# Altium PCB PCB1.PcbDoc (part 1 of 2) (continued)
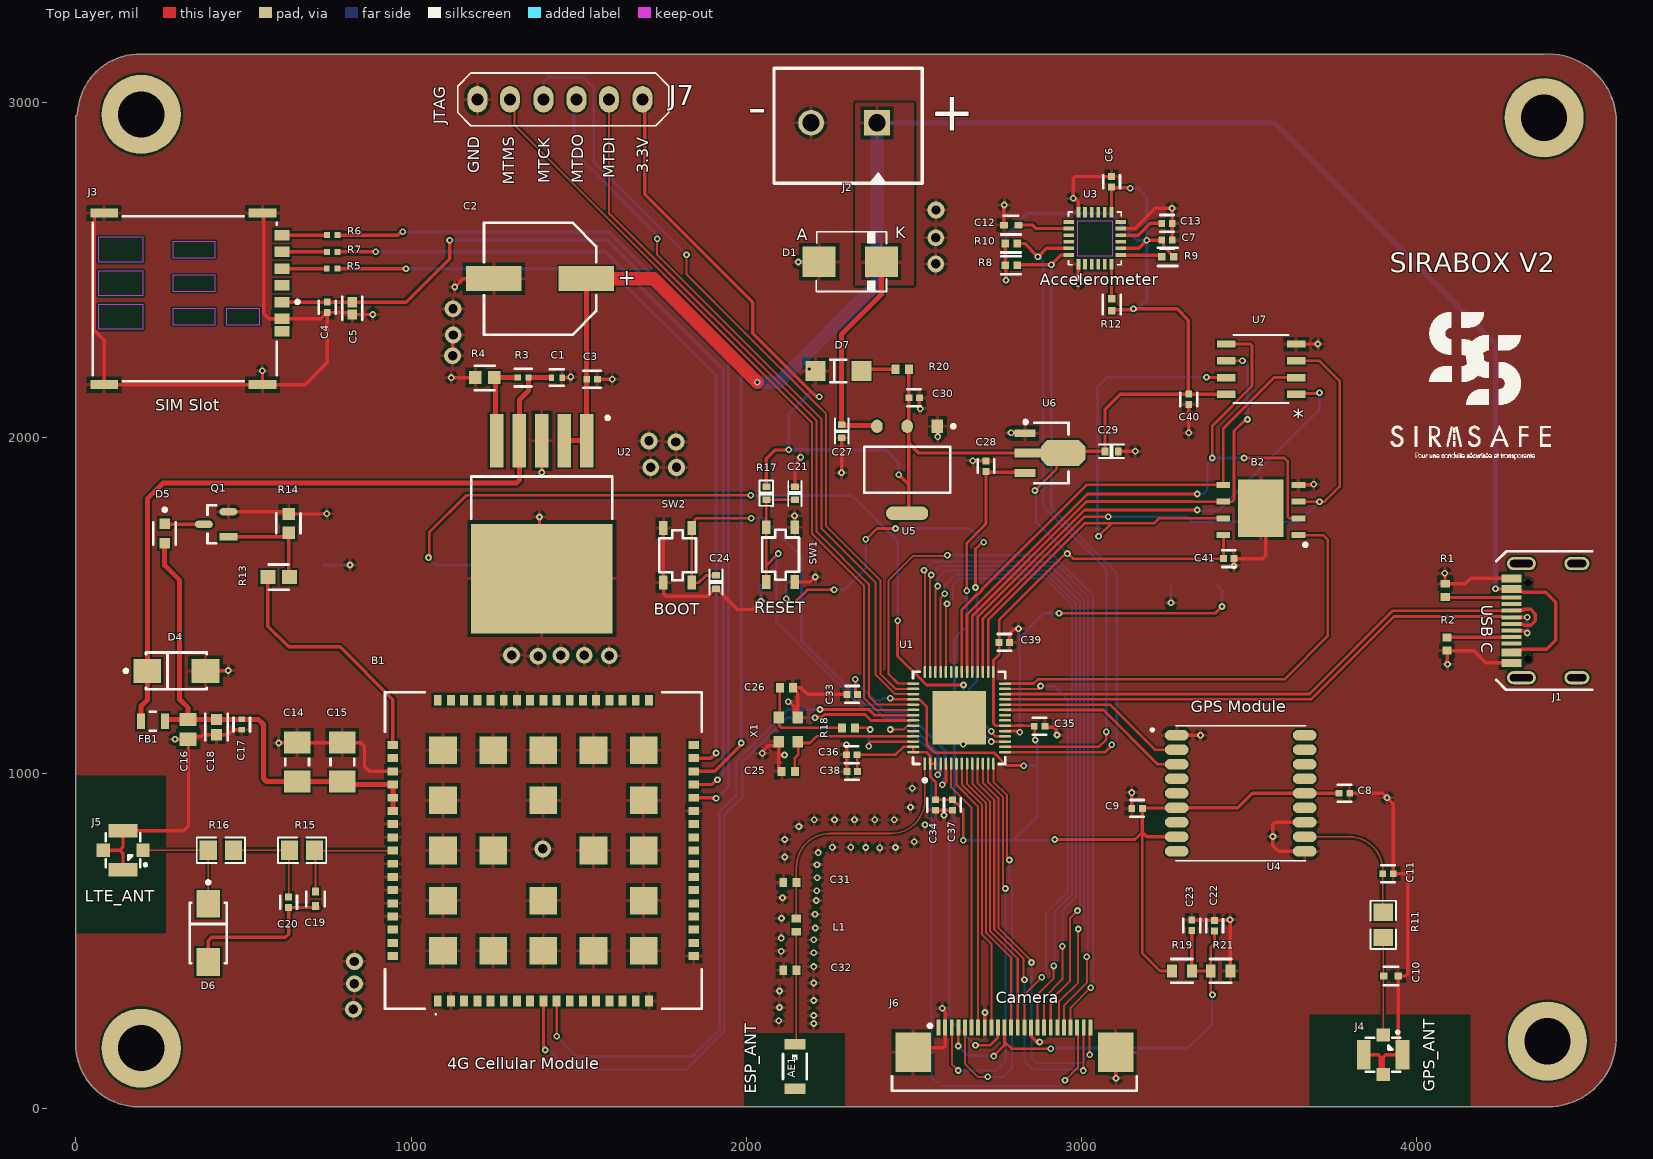
[diagram p0: Top Layer view]
## Components (designator, comment, footprint, x,y, rotation, side; value= is the part's Value field where it differs from the comment)
AE1 "74889302450" 74889302450 2145,125 r270 top
B1 "A7670C-LNSC" A7670CLNSC 1394.61,769.21 r90 top
B2 "W25Q128FVPIP" SON127P600X500X80-9N-D 3535,1785 r180 top
C1 "GRM155R71C104KA88D" FP-GRM15-MFG 1435,2180 r180 top value=0.10μF
C2 "865060653010" WCAP-ASLL_D8H10.5 1385,2475 r0 top
C3 "C0402C105K8PACTU" FP-C0402C105K8PACTU-MFG 1540,2175 r0 top
C4 "C0402C104K4RACTU" FP-C0402-BB-MFG 750,2390 r270 top value="0.10 μF"
C5 "04025A330JAT2A" FP-0402-L_1_0_1-W_0_5_0_1-IPC_A 825,2386.67 r270 top
C6 "C0402C104K4RACTU" FP-C0402-BB-MFG 3090,2764.25 r90 top value="0.10 μF"
C7 "C0402C104K4RACTU" FP-C0402-BB-MFG 3255,2590 r0 top value="0.10 μF"
C8 "C0402C104K4RACTU" FP-C0402-BB-MFG 3784.25,940 r0 top value="0.10 μF"
C9 "C0402C104K4RACTU" FP-C0402-BB-MFG 3165.75,895 r180 top value="0.10 μF"
C10 "04025C222KAT2A" FP-0402-L_1_0_1-W_0_5_0_1-MFG 3923.35,395 r0 top
C11 "C0402C104K4RACTU" FP-C0402-BB-MFG 3914.25,700 r0 top value="0.10 μF"
C12 "04025C222KAT2A" FP-0402-L_1_0_1-W_0_5_0_1-MFG 2790,2635 r180 top
C13 "C0402C104K4RACTU" FP-C0402-BB-MFG 3255,2640 r0 top value="0.10 μF"
C14 "GRM31CR60J107ME39L" CAPC3216X190X55ML30T25 660,1033.07 r270 top
C15 "GRM31CR60J107ME39L" CAPC3216X190X55ML30T25 795,1033.07 r270 top
C16 "GRM21BR71H105KA12L" CAPC2013X135X45LL10T25 335,1130.47 r90 top
C17 "GRM155R71C104KA88D" FP-GRM15-MFG 495,1145 r90 top value=0.10μF
C18 "CC0603JRNPO9BN330" FP-CC0603-0_9-IPC_C 420,1137.28 r270 top
C19 "04025C222KAT2A" FP-0402-L_1_0_1-W_0_5_0_1-MFG 715,625 r270 top
C20 "C0402C104K4RACTU" FP-C0402-BB-MFG 635,615 r270 top value="0.10 μF"
C21 "1uF" "CAP 0402_1005" 2145,1835 r270 top value=100nF
C22 "C0402C104K4RACTU" FP-C0402-BB-MFG 3397,545 r90 top value="0.10 μF"
C23 "C0402C104K4RACTU" FP-C0402-BB-MFG 3329,546 r90 top value="0.10 μF"
C24 "1uF" "CAP 0402_1005" 1910,1570 r90 top value=100nF
C25 "10p" CAP_0402 2125.31,1005 r0 top
C26 "10p" CAP_0402 2120,1255 r180 top
C27 "1uF" "CAP 0402_1005" 2285,2020 r90 top value=100nF
C28 "C0402C104K4RACTU" FP-C0402-BB-MFG 2715,1915.75 r90 top value="0.10 μF"
C29 "1uF" "CAP 0402_1005" 3090,1960 r180 top value=100nF
C30 "C0402C104K4RACTU" FP-C0402-BB-MFG 2500.75,2120 r0 top value="0.10 μF"
C31 "3p3" CAP_0402 2130,674 r0 top
C32 "3p3" CAP_0402 2130,412 r0 top
C33 "C0402C104K4RACTU" FP-C0402-BB-MFG 2315.75,1235 r180 top value="0.10 μF"
C34 "C0402C104K4RACTU" FP-C0402-BB-MFG 2565,905 r270 top value="0.10 μF"
C35 "C0402C104K4RACTU" FP-C0402-BB-MFG 2875,1140 r0 top value="0.10 μF"
C36 "C0402C104K4RACTU" FP-C0402-BB-MFG 2314.25,1055 r180 top value="0.10 μF"
C37 "C0402C104K4RACTU" FP-C0402-BB-MFG 2615,905 r270 top value="0.10 μF"
C38 "C0402C104K4RACTU" FP-C0402-BB-MFG 2315.75,1005 r180 top value="0.10 μF"
C39 "C0402C104K4RACTU" FP-C0402-BB-MFG 2770,1390 r0 top value="0.10 μF"
C40 "C0402C104K4RACTU" FP-C0402-BB-MFG 3320,2115 r270 top value="0.10 μF"
C41 "C0402C104K4RACTU" FP-C0402-BB-MFG 3439.25,1640 r0 top value="0.10 μF"
D1 "SMBJ15CA-13-F" DIO_SMB_DO-214AA 2310,2525 r0 top
D2 "SML-LXT0805IW-TR" FP-SML-LXT0805IW-TR-MFG 2080,1560 r0 bottom
D3 "HSMG-C150" FP-HSMG-C150-MFG 3335.9,1559 r0 bottom
D4 "SMAJ6.0A" FP-SMAJ-MFG 300,1305 r0 top
D5 "LTST-C190GKT" FP-LTST-C190GKT-MFG 265,1715 r270 top
D6 "SMAJ6.0A" FP-SMAJ-MFG 395,523.39 r270 top
D7 "HSMG-C150" FP-HSMG-C150-MFG 2275,2200 r0 top
FB1 "BLM21PG300SN1D" FP-BLM21-0_2-t0_85-e0_5-d-MFG 230,1155 r0 top
J1 "TYPE-C-31-M-12" TYPE-C-31-M-12 4395,1455 r90 top
J2 "TERMINAL BLOCK 2 PIN" CON2_P196_1729128_TH_ST 2390,2940 r180 top
J3 "SIM8066-6-1-14-01-A" FP-SIM8066-6-1-14-01-A-MFG 325,2415 r270 top
J4 "UFL" "MOLEX SD-734120110" 3900,160 r180 top
J5 "UFL" "MOLEX SD-734120110" 140.94,770 r90 top
J6 "68712414522" 68712414522 2800,140 r0 top
J7 "Bergstrip 2.54mm" CON6_100_59D78_TH_ST 1690.28,3010 r180 top
L1 "2n2" IND_0402 2149,546.68 r90 top
LS1 "PKLCS1212E2000-R1" FP-PKLCS1212E2000-R1-MFG 959.53,1620 r180 bottom
MH1 "Mounting Hole" MOUNTING 4380,2955 r180 bottom
MH2 "Mounting Hole" MOUNTING 4390,200 r180 bottom
MH3 "Mounting Hole" MOUNTING 195,2965 r180 bottom
MH4 "Mounting Hole" MOUNTING 195,180 r180 bottom
Q1 "BC846B,215" FP-SOT23-IPC_B 418.56,1742.4 r180 top
R1 "5k1" RES_0402 4085,1545.32 r270 top
R2 "5k1" RES_0402 4090,1385 r90 top
R3 "CRCW0402100KFKED" FP-CRCW0402-e3-IPC_C 1334.17,2180 r0 top
R4 "CRCW060347K0FKEA" FP-CRCW0603-e3-IPC_B 1220,2180 r0 top
R5 "CRCW040222R0FKED" RESC1005X40X25LL05T05 764.25,2505 r0 top
R6 "CRCW040222R0FKED" RESC1005X40X25LL05T05 765,2605 r0 top
R7 "CRCW040222R0FKED" RESC1005X40X25LL05T05 765,2555 r0 top
R8 "CRCW04024K70FKED" FP-CRCW0402-e3-IPC_B 2790,2515 r180 top
R9 "CRCW04024K70FKED" FP-CRCW0402-e3-IPC_B 3257.2,2540 r180 top
R10 "CRCW04024K70FKED" FP-CRCW0402-e3-IPC_B 2790,2580 r180 top
R11 "0R" RES_0805 3900,547.6 r270 top
R12 "CRCW04024K70FKED" FP-CRCW0402-e3-IPC_B 3090,2397.8 r90 top
R13 "CRCW06034K70FKEA" FP-CRCW0603-e3-IPC_A 605,1585 r0 top
R14 "CRCW060347K0FKEA" FP-CRCW0603-e3-IPC_B 635,1745 r270 top
R15 "0R" RES_0805 675,770 r0 top
R16 "0R" RES_0805 432.6,770 r0 top
R17 "10K" "RES 0402_1005" 2060,1834.68 r90 top value=1K
R18 "22R" RES_0402 2305,1135 r180 top
R19 "CRCW06031K00FKEA" FP-CRCW0603-e3-MFG 3299.53,410 r180 top
R20 "22R" RES_0402 2465.32,2205 r180 top
R21 "CRCW06035K60FKEA" FP-CRCW0603-e3-MFG 3415,410 r180 top
SW1 "SKRPANE010" SKRPANE010 2102.32,1651.69 r270 top
SW2 "SKRPANE010" SKRPANE010 1795,1650 r90 top
U1 "ESP32-S3R8" FP-ESP32-S3R8-IPC_A 2635,1165 r90 top
U2 "MIC29302WU-TR" FP-C04-012-MFG 1390,1695 r180 top
U3 "MPU-6050" QFN50P400X400X95-24N 3040,2595 r90 top
U4 "L70REL-M37" XCVR_L70REL-M37 3475,940 r0 top
U5 "AMS1117-3.3" FP-AMS1117-IPC_C 2480,1905 r270 top
U6 "MCP1700T-3302E/MB" SOT-89-MB3_M 2910,1955 r0 top
U7 "ESP-PSRAM64H" SOP8-150MIL_ADA 3535.75,2205 r180 top
X1 "40MHz" XTAL_2520 2125,1130 r270 top

## Footprints (in the part's own frame and the unit in brackets; to place one, negate y for a bottom-side part, rotate by r counter-clockwise, add the part's x,y. Pads: shape width x height; smd on the part's side, far side on the other; paste and mask are expansions set on the pad)
68712414522 [mm] "ZIF Connectors, Horizontal, Bottom Contact, pitch 0.5mm, 24p"
  rect 0.3x1.2 smd: 1(-5.75,2.56) 2(-5.25,2.56) 3(-4.75,2.56) 4(-4.25,2.56) 5(-3.75,2.56) 6(-3.25,2.56) 7(-2.75,2.56) 8(-2.25,2.56) 9(-1.75,2.56) 10(-1.25,2.56) 11(-0.75,2.56) 12(-0.25,2.56) 13(0.25,2.56) 14(0.75,2.56) 15(1.25,2.56) 16(1.75,2.56) 17(2.25,2.56) 18(2.75,2.56) 19(3.25,2.56) 20(3.75,2.56) 21(4.25,2.56) 22(4.75,2.56) 23(5.25,2.56) 24(5.75,2.56)
  rect 2.7x3 smd: M1(-7.68,0.7) M2(7.68,0.7)
  silkscreen extent -9.27,-2.22 9.28,2.82, body extent -9.2,-2.15 9.2,2.95, height 2.1
74889302450 [mm] "SMT-Multilayer Chip Antenna, body 3.2x1.6mm"
  rect 0.8x1.6 smd: 1(-1.7,0) 2(1.7,0)
  silkscreen extent -0.95,-0.9 0.95,0.9, body extent -1.6,-0.8 1.6,0.8, height 1.2
A7670CLNSC [mm]
  rect 0.8x0.6 smd: 1(-11.4,8) 2(-11.4,7) 3(-11.4,6) 4(-11.4,5) 5(-11.4,4) 6(-11.4,3) 7(-11.4,2) 8(-11.4,1) 9(-11.4,0) 10(-11.4,-1) 11(-11.4,-2) 12(-11.4,-3) 13(-11.4,-4) 14(-11.4,-5) 15(-11.4,-6) 16(-11.4,-7) 17(-11.4,-8) 35(11.4,-8) 36(11.4,-7) 37(11.4,-6) 38(11.4,-5) 39(11.4,-4) 40(11.4,-3) 41(11.4,-2) 42(11.4,-1) 43(11.4,0) 44(11.4,1) 45(11.4,2) 46(11.4,3) 47(11.4,4) 48(11.4,5) 49(11.4,6) 50(11.4,7) 51(11.4,8)
  rect 0.6x0.8 smd: 18(-8,-11.4) 19(-7,-11.4) 20(-6,-11.4) 21(-5,-11.4) 22(-4,-11.4) 23(-3,-11.4) 24(-2,-11.4) 25(-1,-11.4) 26(0,-11.4) 27(1,-11.4) 28(2,-11.4) 29(3,-11.4) 30(4,-11.4) 31(5,-11.4) 32(6,-11.4) 33(7,-11.4) 34(8,-11.4) 52(8,11.4) 53(7,11.4) 54(6,11.4) 55(5,11.4) 56(4,11.4) 57(3,11.4) 58(2,11.4) 59(1,11.4) 60(0,11.4) 61(-1,11.4) 62(-2,11.4) 63(-3,11.4) 64(-4,11.4) 65(-5,11.4) 66(-6,11.4) 67(-7,11.4) 68(-8,11.4)
  rect 2.1x2.1 smd: 69(-7.6,7.6) 70(-7.6,3.8) 71(-7.6,0) 72(-7.6,-3.8) 73(-7.6,-7.6) 74(-3.8,-7.6) 75(0,-7.6) 76(3.8,-7.6) 77(7.6,-7.6) 78(7.6,-3.8) 79(7.6,0) 80(7.6,3.8) 81(7.6,7.6) 82(3.8,7.6) 83(0,7.6) 84(-3.8,7.6) 85(-3.8,0) 86(0,-3.8) 87(3.8,0) 88(0,3.8)
  silkscreen extent -12.45,-12 12,12, body extent -13.63,-11.94 13.37,12.06, height 3.08
"CAP 0402_1005" [mm] "Chip Capacitor, 2-Leads, Body 1.02x0.51mm, IPC Medium Density"
  rect 0.5x0.6 smd: 1(-0.498,0.006) 2(0.502,0.006)
  silkscreen extent -0.94,-0.5 0.96,0.51, body extent -0.52,-0.27 0.48,0.25, height 0.52
CAP_0402 [mm]
  rect 0.6x0.7 smd: 1(-0.5,0) 2(0.5,0)
  body extent -0.5,-0.26 0.5,0.26, height 0.37
CAPC2013X135X45LL10T25 [mm] "Chip Capacitor, 2-Leads, Body 2.00x1.25mm, IPC High Density"
  rect 1x1.3 smd: 1(-0.75,0) 2(0.75,0)
  body extent -1.05,-0.67 1.05,0.68, height 1.35
CAPC3216X190X55ML30T25 [mm] "Chip Capacitor, 2-Leads, Body 3.5x1.9mm, IPC Low Density"
  rect 1.65x2 smd: 1(-1.475,0) 2(1.475,0)
  silkscreen extent -0.25,-0.9 0.25,0.9, body extent -1.75,-0.95 1.75,0.95, height 1.9
CON2_P196_1729128_TH_ST [mm] "Terminal Block"
  rect 1.95x1.95 / inner round 1.95 / far side rect 1.95x1.95 hole 1.3: 1(0,0)
  round 1.95 hole 1.3: 2(5,0)
  silkscreen extent -3.43,-4.14 7.8,4.57, body extent -3.13,-3.83 7.44,4.32, height 10.51
CON6_100_59D78_TH_ST [mm] "Bergstrip"
  oval 1.5x2 hole 0.9: 1(0,0) 2(2.54,0) 3(5,0) 4(7.5,0) 5(10.04,0) 6(12.5,0)
  silkscreen extent -2,-2 14,2, body extent -1.35,-1.24 13.89,1.3, height 8.55
DIO_SMB_DO-214AA [mm] "Diode"
  rect 2.5x2.3 smd: A(-2.35,0) K(2.354,0)
  silkscreen extent -2.56,-2.25 2.75,2.29, body extent -2.56,-1.84 2.84,1.76, height 2.27
FP-0402-L_1_0_1-W_0_5_0_1-IPC_A [mil]
  rect 30.75x28.04 smd paste+0 mask+0: 1(-18.33,0) 2(18.33,0)
  silkscreen extent -34,-30 34,30, body extent -42,-22 42,22, height 10
FP-0402-L_1_0_1-W_0_5_0_1-MFG [mm]
  rect 0.6x0.5 smd paste+0 mask+0: 1(-0.55,0) 2(0.55,0)
  silkscreen extent -0.55,-0.7 0.55,0.7, body extent -0.95,-0.4 0.95,0.4, height 0.25
FP-AMS1117-IPC_C [mm]
  rect 1.004x0.872 smd paste+0 mask+0: 1(-3.295,2.29)
  rrect100% 1.004x0.872 smd paste+0 mask+0: 2(-3.295,0) 3(-3.295,-2.29)
  rrect87% 1.004x3.182 smd paste+0 mask+0: 4(3.295,0)
  silkscreen extent -3.42,-3.25 1.75,3.63, body extent -3.9,-3.35 3.9,3.35, height 0.25
FP-BLM21-0_2-t0_85-e0_5-d-MFG [mm]
  rect 0.6x1.2 smd paste-1000 mask-1000: 1(-0.9,0) 2(0.9,0)
  silkscreen extent -0.23,-0.72 0.23,0.72, body extent -1.3,-0.82 1.3,0.82, height 0.25
FP-C04-012-MFG [mil]
  rect 41x159 smd paste+0 mask+0: 1(-134,-296.75) 2(-67,-296.75) 3(0,-296.75) 4(67,-296.75) 5(134,-296.75)
  rect 423x327 smd paste+0 mask+0: 6(0,114.75)
  silkscreen extent -210,-370 210,-64, body extent -215,-380 215,282, height 10
FP-C0402-BB-MFG [mm]
  rect 0.52x0.52 smd paste+0 mask+0: 1(-0.4,0) 2(0.4,0)
  silkscreen extent -0.5,-0.64 0.5,0.64, body extent -0.8,-0.4 0.8,0.4, height 0.25
FP-C0402C105K8PACTU-MFG [mm]
  rect 0.52x0.52 smd paste+0 mask+0: 1(-0.4,0) 2(0.4,0)
  silkscreen extent -0.67,-0.64 0.67,0.64, body extent -0.8,-0.4 0.8,0.4, height 0.25
FP-CC0603-0_9-IPC_C [mil]
  rect 33.79x31.97 smd paste+0 mask+0: 1(-22.72,0) 2(22.72,0)
  silkscreen extent -40,-33 40,33, body extent -44,-22 44,22, height 10
FP-CRCW0402-e3-IPC_B [mil]
  rect 22.37x22.54 smd paste+0 mask+0: 1(-17.8,0) 2(17.8,0)
  silkscreen extent -29,-27 29,27, body extent -35,-17 35,17, height 10
FP-CRCW0402-e3-IPC_C [mil]
  rect 18.43x18.6 smd paste+0 mask+0: 1(-15.83,0) 2(15.83,0)
  silkscreen extent -25,-27 25,27, body extent -29,-15 29,15, height 10
FP-CRCW0603-e3-IPC_A [mil]
  rect 44.69x41.82 smd paste+0 mask+0: 1(-32.1,0) 2(32.1,0)
  silkscreen extent -30,-37 30,37, body extent -74,-41 74,41, height 10
FP-CRCW0603-e3-IPC_B [mil]
  rect 36.81x37.88 smd paste+0 mask+0: 1(-28.17,0) 2(28.17,0)
  silkscreen extent -30,-37 30,35, body extent -56,-29 56,29, height 10
FP-CRCW0603-e3-MFG [mm]
  rect 0.75x1 smd paste+0 mask+0: 1(-0.75,0) 2(0.75,0)
  silkscreen extent -0.8,-0.9 0.8,0.9, body extent -1.22,-0.6 1.22,0.6, height 0.25
FP-ESP32-S3R8-IPC_A [mm]
  rect 0.918x0.192 smd paste+0 mask+0: 1(-3.477,2.6)
  rrect100% 0.918x0.192 smd paste+0 mask+0: 2(-3.477,2.2) 3(-3.477,1.8) 4(-3.477,1.4) 5(-3.477,1) 6(-3.477,0.6) 7(-3.477,0.2) 8(-3.477,-0.2) 9(-3.477,-0.6) 10(-3.477,-1) 11(-3.477,-1.4) 12(-3.477,-1.8) 13(-3.477,-2.2) 14(-3.477,-2.6) 29(3.477,-2.6) 30(3.477,-2.2) 31(3.477,-1.8) 32(3.477,-1.4) 33(3.477,-1) 34(3.477,-0.6) 35(3.477,-0.2) 36(3.477,0.2) 37(3.477,0.6) 38(3.477,1) 39(3.477,1.4) 40(3.477,1.8) 41(3.477,2.2) 42(3.477,2.6)
  rrect100% 0.192x0.918 smd paste+0 mask+0: 15(-2.6,-3.477) 16(-2.2,-3.477) 17(-1.8,-3.477) 18(-1.4,-3.477) 19(-1,-3.477) 20(-0.6,-3.477) 21(-0.2,-3.477) 22(0.2,-3.477) 23(0.6,-3.477) 24(1,-3.477) 25(1.4,-3.477) 26(1.8,-3.477) 27(2.2,-3.477) 28(2.6,-3.477) 43(2.6,3.477) 44(2.2,3.477) 45(1.8,3.477) 46(1.4,3.477) 47(1,3.477) 48(0.6,3.477) 49(0.2,3.477) 50(-0.2,3.477) 51(-0.6,3.477) 52(-1,3.477) 53(-1.4,3.477) 54(-1.8,3.477) 55(-2.2,3.477) 56(-2.6,3.477)
  rect 4.05x4.05 smd paste-1000 mask+0: 57(0,0)
  silkscreen extent -4.86,-3.5 3.5,3.5, body extent -4.44,-4.44 4.44,4.44, height 0.25
FP-GRM15-MFG [mm]
  rect 0.4x0.5 smd paste+0 mask+0: 1(-0.4,0) 2(0.4,0)
  silkscreen extent -0.53,-0.63 0.53,0.63, body extent -0.7,-0.38 0.7,0.38, height 0.25
FP-HSMG-C150-MFG [mm]
  rect 1.5x1.5 smd paste+0 mask+0: 1(-1.75,0) 2(1.75,0)
  silkscreen extent -0.6,-0.85 0.6,0.85, body extent -1.6,-0.8 1.6,0.8, height 1.2
FP-LTST-C190GKT-MFG [mm]
  rect 0.8x0.8 smd paste+0 mask+0: 1(-0.75,0) 2(0.75,0)
  silkscreen extent -1.92,-0.85 0.85,0.85, body extent -1.25,-0.55 1.25,0.55, height 0.25
FP-PKLCS1212E2000-R1-MFG [mm]
  rect 1.2x4 smd paste+0 mask+0: 1(-5.6,0) 2(5.6,0)
  silkscreen extent -6.1,-6.1 6.1,6.1, body extent -6,-6 6,6, height 3.01
FP-SIM8066-6-1-14-01-A-MFG [mm]
  rect 0.7x2.1 smd paste+0 mask+0: 1(-6.5,5.89) 2(6.5,5.89) 3(-6.5,-6.11) 4(6.5,-6.11)
  rect 0.8x1.14 smd paste+0 mask+0: C1(0.25,7.37) C2(-2.29,7.37) C3(-4.83,7.37) C5(1.52,7.37) C6(-1.02,7.37) C7(-3.56,7.37) CD(2.47,7.37)
  Keep-Out Layer region: 0.76,3.135 1.96,3.135 1.96,5.685 0.76,5.685
  Keep-Out Layer region: 0.76,-0.915 1.96,-0.915 1.96,2.295 0.76,2.295
  Keep-Out Layer region: -1.78,-0.915 -0.58,-0.915 -0.58,2.295 -1.78,2.295
  Keep-Out Layer region: -4.32,-0.915 -3.12,-0.915 -3.12,2.295 -4.32,2.295
  Keep-Out Layer region: -4.645,-6.56 -2.795,-6.56 -2.795,-3.16 -4.645,-3.16
  Keep-Out Layer region: -2.105,-6.56 -0.255,-6.56 -0.255,-3.16 -2.105,-3.16
  Keep-Out Layer region: 0.435,-6.56 2.285,-6.56 2.285,-3.16 0.435,-3.16
  silkscreen extent -6.24,-6.96 6.24,8.67, body extent -6.95,-7.26 6.95,8.04, height 0.25
FP-SMAJ-MFG [mm]
  rect 2.1x1.8 smd paste+0 mask+0: 1(-2.2,0) 2(2.2,0)
  silkscreen extent -3.95,-1.4 2.3,1.4, body extent -3.35,-1.5 3.35,1.5, height 0.25
FP-SML-LXT0805IW-TR-MFG [mm]
  rect 0.9x1.1 smd paste+0 mask+0: 1(-0.95,0) 2(0.95,0)
  silkscreen extent -2.1,-1 1.05,1, body extent -1,-0.63 1,0.63, height 0.8
FP-SOT23-IPC_B [mm]
  rect 1.355x0.562 smd paste+0 mask+0: 1(-0.925,0.95)
  rrect100% 1.355x0.562 smd paste+0 mask+0: 2(-0.925,-0.95) 3(0.925,0)
  silkscreen extent 0,-1.45 0.65,1.45, body extent -1.85,-1.7 1.85,1.7, height 0.25
IND_0402 [mm]
  rect 0.6x0.7 smd: 1(-0.5,0) 2(0.5,0)
  body extent -0.56,-0.26 0.56,0.26, height 0.67
"MOLEX SD-734120110" [mm]
  rect 1.05x2.2 smd: G(-1.475,0) G(1.475,0)
  rect 1x1 smd: G(0,1.5) S(0,-1.5)
  silkscreen extent -1.3,-1.8 1.3,1.3, body extent -1.5,-1.54 1.5,1.54, height 1.3
MOUNTING [mm] "MH"
  round 6 hole 3.5: 1(0,0)
  silkscreen extent -3.3,-3.3 3.3,3.3, body extent -3,-2.75 3,2.75, height 4.24
QFN50P400X400X95-24N [mm]
  rect 0.79x0.28 smd: 1(-1.97,1.25) 2(-1.97,0.75) 3(-1.97,0.25) 4(-1.97,-0.25) 5(-1.97,-0.75) 6(-1.97,-1.25) 13(1.97,-1.25) 14(1.97,-0.75) 15(1.97,-0.25) 16(1.97,0.25) 17(1.97,0.75) 18(1.97,1.25)
  rect 0.28x0.79 smd: 7(-1.25,-1.97) 8(-0.75,-1.97) 9(-0.25,-1.97) 10(0.25,-1.97) 11(0.75,-1.97) 12(1.25,-1.97) 19(1.25,1.97) 20(0.75,1.97) 21(0.25,1.97) 22(-0.25,1.97) 23(-0.75,1.97) 24(-1.25,1.97)
  Keep-Out Layer region: 1.35,-1.3 -1.35,-1.3 -1.35,1.3 1.35,1.3
  silkscreen extent -3.1,-2 2,2, body extent -2,-2 2,2, height 0.93
"RES 0402_1005" [mm] "Chip Resistor, 2-Leads, Body 1.0x0.5mm, IPC Medium Density"
  rect 0.5x0.6 smd: 1(-0.5,0) 2(0.5,0)
  silkscreen extent -0.94,-0.51 0.96,0.51, body extent -0.5,-0.25 0.5,0.25, height 0.35
RES_0402 [mm]
  rect 0.6x0.7 smd: 1(-0.5,0) 2(0.5,0)
  body extent -0.5,-0.25 0.5,0.25, height 0.3
RES_0805 [mm] "Resister"
  rect 1.3x1.5 smd mask+0.076: 1(0.95,0) 2(-0.95,0)
  silkscreen extent -1.83,-0.97 1.83,0.97, body extent -1,-0.63 1,0.62, height 0.5
RESC1005X40X25LL05T05 [mm] "Chip Resistor, 2-Leads, Body 1.00x0.50mm, IPC High Density"
  rect 0.45x0.45 smd: 1(-0.4,0) 2(0.4,0)
  body extent -0.53,-0.27 0.53,0.28, height 0.4
SKRPANE010 [mm]
  rect 1.05x0.65 smd: 12(-2.075,1.075) 12(2.075,1.075) 34(-2.075,-1.075) 34(2.075,-1.075)
  silkscreen extent -1.9,-1.4 1.9,1.4, body extent -2.3,-1.6 2.3,1.6, height 2.51
SON127P600X500X80-9N-D [mm]
  rect 1.05x0.45 smd: 1(-2.85,1.905) 2(-2.85,0.635) 3(-2.85,-0.635) 4(-2.85,-1.905) 5(2.85,-1.905) 6(2.85,-0.635) 7(2.85,0.635) 8(2.85,1.905)
  rect 3.45x4.35 smd: 9(0,-0.127)
  silkscreen extent -3.5,2.51 -3.25,2.75, body extent -3.18,-2.5 2.92,2.5, height 0.8
SOP8-150MIL_ADA [mil]
  rect 55x22 smd paste+0 mask+0: 1(-104.5,75) 2(-104.5,25) 3(-104.5,-25) 4(-104.5,-75) 5(104.5,-75) 6(104.5,-25) 7(104.5,25) 8(104.5,75)
  silkscreen extent -82,-102 82,102, body extent -118,-96 118,96, height 69
SOT-89-MB3_M [mm] "SOT89, 3-Leads, Body 4.5x2.4 mm, Pitch 1.5mm, Lead Span 4.1mm, IPC Low Density"
  rect 1.6x0.6 smd: 1(-2,1.5) 3(-2,-1.5)
  rect 2x0.7 smd: 2(-1.8,0)
  oct 3.4x2 smd: 2(0.9,0)
  silkscreen extent -2.07,-2.3 1.3,2.47, body extent -1.3,-2.3 1.3,2.3, height 1.6
TYPE-C-31-M-12 [mm]
  rect 0.6x1.5 smd mask+0.07: A1B12(-3.2,2.85) B1A12(3.2,2.85)
  rect 0.6x1.5 smd mask+0.14: A4B9(-2.4,2.85) B4A9(2.4,2.85)
  rect 0.3x1.5 smd mask+0.14: A5(-1.25,2.85) A6(-0.25,2.85) A7(0.25,2.85) A8(1.25,2.85) B5(1.75,2.85) B6(0.75,2.85) B7(-0.75,2.85) B8(-1.75,2.85)
  round 0.6 hole 0.6 unplated mask+0.3: MH(-2.9,1.6) MH(2.9,1.6)
  oval 1x1.9 hole 0.55 slot 1.45 at 90 deg mask+0.05: SH(-4.325,-2.1) SH(4.325,-2.1)
  oval 1x2.2 hole 0.55 slot 1.75 at 90 deg mask+0.05: SH(-4.325,2.1) SH(4.325,2.1)
  silkscreen extent -5.25,-3.25 5.25,4, body extent -4.47,-4.65 4.47,3.25, height 3.32
WCAP-ASLL_D8H10.5 [mm] "Aluminium Electrolytic V-Chip SMT Capacitors, 8x10.5mm"
  rect 4.2x1.9 smd: 1(3.5,0) 2(-3.5,0)
  silkscreen extent -4.25,-4.25 4.25,4.25, body extent -4.5,-4.15 4.5,4.15, height 10.5
XCVR_L70REL-M37 [mm]
  oval 1.8x0.8 smd paste-2: 1(-4.85,4.4) 2(-4.85,3.3) 3(-4.85,2.2) 4(-4.85,1.1) 5(-4.85,0) 6(-4.85,-1.1) 7(-4.85,-2.2) 8(-4.85,-3.3) 9(-4.85,-4.4) 10(4.85,-4.4) 11(4.85,-3.3) 12(4.85,-2.2) 13(4.85,-1.1) 14(4.85,0) 15(4.85,1.1) 16(4.85,2.2) 17(4.85,3.3) 18(4.85,4.4)
  silkscreen extent -6.8,-5.13 4.92,5.13, body extent -4.85,-5.05 4.85,5.05, height 2.65
XTAL_2520 [mm]
  rrect10% 0.9x0.8 smd mask+0: 1(0.925,0.725) 2(-0.925,0.725) 3(-0.925,-0.725) 4(0.925,-0.725)
  body extent -1.25,-1 1.25,1, height 0.8

## Part data
AE1: library part CMP-03913-126098687-1, "74889302450 Chip Antenna, 2.45Ghz, 3.2Mm X 1.6Mm X 1.2Mm Rohs Compliant: Yes", Current Rating=2A, Max Operating Temperature=85°C, Min Operating Temperature=-40°C, Height=1.2mm, Impedance=50Ω, Length=3.2mm, NexarPartId=126098687, RoHS=Compliant, Width=1.6mm
B1: "MODULE LTE CAT1", Manufacturer_Name=SIMCOM, Datasheet Link=https://nostris.ee/pdf/A7670%20Series%20Hardware%20Design_V1.00.pdf, Geometry.Height=2.77mm, Manufacturer_Part_Number=A7670C-LNSC
B2: "3V 128M-BIT Serial Flash Memory With Dual/Quad SPI & QPI", Manufacturer_Name=Winbond, Geometry.Height=0.8mm, Manufacturer_Part_Number=W25Q128FVPIP
C1 C17: library part CMP-2100-03641-2, "CAP CER 0.1UF 16V X7R 0402", Capacitance=0.10μF, Manufacturer=Murata, Package=GRM15, Temperature="-55°C to +125°C", Temperature Characteristic=X7R, Temperature Range High=+125°C, Temperature Range Low=-55°C, Tolerance=10%, Voltage Rating=16Vdc, Category=Cap, ComponentLink2Description=Datasheet, ComponentLink2URL=https://search.murata.co.jp/Ceramy/image/img/A01X/G101/ENG/GRM155R71H471KA01-01A.pdf, Device Class L1="Passive Components", Device Class L2=Capacitors, Device Class L3="Ceramic Capacitors", Digikey Description="CAP CER 0.1UF 16V X7R 0402", Height=0.55mm, Ipc Land Pattern Name=CAPC10050X219, Lead Free=yes, Manufacturer Part Number=GRM155R71C104KA88D, Material=Ceramic, Mouser Description="0402 0.1 uF 16V ±10 % Tolerance X7R SMT Multilayer Ceramic Capacitor", Octopart=https://octopart.com/grm155r71c104ka88d-murata-196880, RoHS=TRUE, Standoff Height=0mm
C2: library part CMP-03913-54202488-2, "865060653010 Aluminum Electrolytic Capacitor, Polarized, Aluminum (wet), 50V, 20% +Tol, 20% -Tol, 100uF, Surface Mount, 3333", Capacitance=100µF, Case/Package=Radial, ESR (Equivalent Series Resistance)=227.529mΩ, Insulation Resistance=1MΩ, Leakage Current=50µA, Max Operating Temperature=105°C, Min Operating Temperature=-55°C, Ripple Current=350mA, Tolerance=20%, Voltage Rating=50V, Diameter=8mm, Height=10.5mm, Height - Seated (Max)=10.4902mm, Impedance=340mΩ, Length=10.5mm, Life (Hours)=5000hours, Mount="Surface Mount", NexarPartId=54202488, Polarity=Polar, REACH SVHC=Unknown, Ripple Current (AC)=350mA, RoHS=Compliant, Voltage Rating (DC)=50V
C3: library part CMP-2008-02081-2, "CAP CER 1UF 10V X5R 0402", Capacitance=1uF, Case Code (Imperial)=0402, Case Code (Metric)=1005, Dielectric=X5R, Dielectric Material=Ceramic, Max Operating Temperature=85°C, Min Operating Temperature=-55°C, Package Quantity=1, Tolerance=10%, Voltage=10V, Case/Package=0402, Construction=Flat, Contact Plating=Tin, Depth=0.5mm, Dissipation Factor=5%, Height=0.5mm, Lead Free="Lead Free", Length=1mm, Mount="Surface Mount", Number of Pins=2, Packaging="Tape and Reel", Radiation Hardening=No, REACH SVHC="No SVHC", RoHS Compliant=Yes, Series=C, Termination=SMD/SMT, Thickness=0.022inch, Voltage Rating=10V, Voltage Rating (DC)=10V, Width=0.5mm
C4 C6 C7 C8 C9 C11 C13 C20 C22 C23 C28 C30 C33 C34 C35 C36 C37 C38 C39 C40 C41: library part CMP-2008-02108-2, "CAP CER 0.1UF 16V X7R 0402", Capacitance="0.10 μF", Manufacturer=Kemet, Package=C0402-BB, Temperature="-55°C to +125°C", Temperature Characteristic=X7R, Temperature Coefficient=15%, Temperature Range High=+125°C, Temperature Range Low=-55°C, Tolerance=0.1, Voltage Rating="16 V", Automotive=No, Category=Cap, ComponentLink2Description=Datasheet, ComponentLink2URL=https://content.kemet.com/datasheets/KEM_C1002_X7R_SMD.pdf, Device Class L1="Passive Components", Device Class L2=Capacitors, Device Class L3="Ceramic Capacitors", Digikey Description="CAP CER 0.1UF 16V X7R 0402", Height=0.55mm, Ipc Land Pattern Name=CAPC10050X50, Lead Free=Yes, Manufacturer Part Number=C0402C104K4RACTU, Material=Ceramic, Mouser Description="Cap Ceramic 0.1uF 16V X7R 10% SMD 0402 125?C Paper T/R - Tape and Reel (Alt: C0402C104K4RAC TU)", Octopart=https://octopart.com/c0402c104k4ractu-kemet-94158, RoHS=TRUE
C5: library part CMP-2008-02637-2, "General Purpose Ceramic Capacitor, 0402, 33pF, 5%, C0G, 30ppm/°C, 50V", Capacitance=33pF, Case Code (Imperial)=0402, Case Code (Metric)=1005, Dielectric=C0G, Insulation Resistance=100GR, Max Operating Temperature=125°C, Min Operating Temperature=-55°C, Package Quantity=1, Temperature Coefficient=30ppm/°C, Tolerance=5%, Voltage=50V, Case/Package=0402, Construction=Flat, Contact Plating=Tin, Depth=0.5mm, Height=0.5mm, Lead Free="Lead Free", Length=1mm, Mount="Surface Mount", Number of Pins=2, Packaging="Tape and Reel", Radiation Hardening=No, REACH SVHC="No SVHC", RoHS Compliant=Yes, Series=-, Termination=SMD/SMT, Thickness=0.022inch, Voltage Rating=50V, Voltage Rating (DC)=50V, Width=0.5mm
C10 C12 C19: library part CMP-2008-02711-2, "General Purpose Ceramic Capacitor, 0402, 2.2nF, 10%, X7R, 15%, 50V", Capacitance=2.2nF, Case Code (Imperial)=0402, Case Code (Metric)=1005, Dielectric=X7R, Dielectric Material=Ceramic, Max Operating Temperature=125°C, Min Operating Temperature=-55°C, Package Quantity=1, Tolerance=10%, Voltage=50V, Case/Package=0402, Construction=Flat, Contact Plating=Tin, Depth=0.5mm, Height=0.56mm, Lead Free="Lead Free", Length=1mm, Mount="Surface Mount", Number of Pins=2, Packaging="Tape and Reel", Radiation Hardening=No, REACH SVHC="No SVHC", RoHS Compliant=Yes, Series=-, Termination=SMD/SMT, Thickness=0.022inch, Voltage Rating=50V, Voltage Rating (DC)=50V, Width=0.02inch
C14 C15: library part CMP-1662-00011-2, "Chip Capacitor, 100 uF, +/- 20%, 6.3 V, -55 to 85 degC, 1206 (3216 Metric), RoHS, Tape and Reel", Capacitance="100 uF", Case Code (Imperial)=1206, Case Code (Metric)=3216, Max Operating Temperature="85 degC", Min Operating Temperature="-55 degC", Package Quantity=2000, Tolerance=20%, Type (Capacitors)=X5R, Voltage Rating="6.3 V", Case\/Package=1206, ComponentLink1Description="Manufacturer URL", ComponentLink1URL=http://www.murata.com/, ComponentLink2Description=Datasheet, ComponentLink2URL=http://psearch.en.murata.com/capacitor/product/GRM31CR60J107ME39%23.pdf, DatasheetVersion=09/2016, Height="1.6 mm", Length="3.2 mm", Mount="Surface Mount", Mounting Technology="Surface Mount", PackageDescription="2-Pin Surface Mount Device, Body 3.2 x 1.6 mm", PackageReference=1206, Packaging="Tape and Reel", PartNumber=GRM31CR60J107ME39L, Pins=2, Radiation Hardening=No, REACH SVHC="No SVHC", RoHSCompliant=true, Voltage Rating (DC)="6.3 V", Width="1.6 mm"
C16: library part CMP-1036-04761-2, Manufacturer=Murata, Part Number=GRM21BR71H105KA12L
C18: library part CMP-2000-06072-2, "CAP CER 33PF 50V C0G/NPO 0603", Capacitance=33pF, Case Code (Imperial)=0603, Case Code (Metric)=1608, Dielectric=C0G, Dielectric Material=Ceramic, Insulation Resistance=100GR, Max Operating Temperature=125°C, Min Operating Temperature=-55°C, Package Quantity=1, Temperature Coefficient=30ppm/°C, Tolerance=5%, Voltage=50V, Case/Package=0603, Depth=0.8mm, Height=0.8mm, Lead Free="Lead Free", Length=1.6mm, Mount="Surface Mount", Number of Pins=2, Packaging="Tape and Reel", Radiation Hardening=No, REACH SVHC="No SVHC", Resistor Type=Ceramic, RoHS Compliant=Yes, Series=CC, Termination=SMD/SMT, Thickness=0.035inch, Voltage Rating=50V, Voltage Rating (DC)=50V, Width=0.031inch
C21 C24 C27 C29: library part "Cap 0402", "SMT Capacitor"
C25 C26: library part CAP_0402_50V, "Capacitor SMD 0402 50V", LCSC=C32949, Manufacturer=Samsung, Manufacturer Part Number=CL05C100JB5NNNC
C31 C32: library part CAP_0402_50V, "Capacitor SMD 0402 50V", LCSC=C1565, Manufacturer=FH, Manufacturer Part Number=0402CG3R3C500NT
D1: library part DIO-T_15V-24V-24.6A-DO214AA, "24.4V Clamp 24.6A Ipp Tvs Diode Surface Mount DO-214AA (SMBJ)", Alternate Part Number-1=NA, Case/Package=DO214AA, Manufacturer=Nexperia, Manufacturer Part Number=SMBJ15CA-13-F, Supplier Part Number-1=SMBJ15CA-13-F, Supplier-1=SIRICOM
D2: library part CMP-1724-00002-2, "LED RED DIFFUSED SMD", Case Code (Imperial)=0805, Case Code (Metric)=2012, Color=Red, Forward Current=20mA, Forward Voltage=2V, Lens Color=White, Max Operating Temperature=80°C, Min Operating Temperature=-25°C, Package Quantity=1, Approvals=UL, Case/Package=0805, Dominant Wavelength=635nm, Height=0.8mm, Illumination Color=Red, Lead Free="Lead Free", Length=2mm, Lens Style=Rectangular, Lens Transparency=Diffused, Luminous Intensity=11mcd, Mount="Surface Mount", Number of LEDs=1, Number of Pins=2, Packaging="Tape and Reel", REACH SVHC="No SVHC", Test Current=20mA, Viewing Angle=140°, Wavelength=635nm, Width=1.25mm
D3 D7: library part CMP-2000-05061-2, "LED GREEN DIFFUSED 1206 SMD", Colour=Green, Forward Current=20mA, Forward Voltage=2.2V, Manufacturer=Broadcom, Max Junction Temp=+95°C, Power Dissipation=65mW, Reverse Voltage=5V, Temperature="-40°C to +85°C", Temperature Range High=+85°C, Temperature Range Low=-40°C, Automotive=No, Category=Diode, ComponentLink2Description=Datasheet, ComponentLink2URL=https://docs.broadcom.com/docs/AV02-0551EN, Device Class L1=Optoelectronics, Device Class L2=LEDs, Device Class L3=unset, Digikey Description="LED GREEN DIFFUSED 1206 SMD", Height=1.2mm, Ipc Land Pattern Name=DIOCP320160X55, Lead Free=Yes, Led Orientation="Top View", Luminous Intensity=15mcd, Manufacturer Part Number=HSMG-C150, Mouser Description="LED Uni-Color Green 570nm 2-Pin Chip LED T/R", Octopart=https://octopart.com/hsmg-c150-broadcom-71131304, Package=HSMG-C150, Peak Emmision Wavelength=570nm, RoHS=TRUE, Viewing Angle=170°, Wavelength=572nm
D4 D6: library part CMP-08607-000083-1, "TVS DIODE 6V 10.3V DO214AC", Breakdown Voltage=6.67V, Clamping Voltage=10.3V, Manufacturer=Littelfuse, Max Junction Temp=+150°C, Package=SMAJ, Peak Pulse Current=38.8A, Peak Pulse Power=400W, Reverse Standoff Voltage=6V, Temperature="-65°C to +150°C", Temperature Range Low=-65°C, Automotive=No, Category=Diode, ComponentLink2Description=Datasheet, ComponentLink2URL=https://www.littelfuse.com/~/media/electronics/datasheets/tvs_diodes/littelfuse_tvs_diode_smaj_datasheet.pdf.pdf, Device Class L1="Circuit Protection", Device Class L2="TVS Diodes", Device Class L3=unset, Digikey Description="TVS DIODE 6V 10.3V DO214AC", Direction=Unidirectional, Height=2.29mm, Lead Free=Yes, Manufacturer Part Number=SMAJ6.0A, Mouser Description="TVS Diodes - Transient Voltage Suppressors 60Vr 400W 4.1A 5% UniDirectional", Number Of Channels=1, Octopart=https://octopart.com/smaj6.0a-littelfuse-350212, RoHS=TRUE, Temperature Range High=+150°C
D5: library part CMP-22017-000005-2, "LED GREEN CLEAR CHIP SMD", Case Code (Imperial)=0603, Case Code (Metric)=1608, Color=Green, Forward Current=30mA, Forward Voltage=2.1V, Lens Color=Colorless, Max Operating Temperature=85°C, Min Operating Temperature=-55°C, Package Quantity=1, Power Dissipation=100mW, Reverse Voltage=5V, Test Current=10mA, Voltage=2V, Case/Package=0603, Depth=0.8mm, Dominant Wavelength=569nm, Height=0.8mm, Illumination Color=Green, Lead Free="Lead Free", Length=1.6mm, Lens Style=Clear, Lens Transparency=Clear, Luminous Intensity=6mcd, Mount="Surface Mount", Number of Elements=1, Number of LEDs=1, Number of Pins=2, Packaging="Tape and Reel", Power Rating=100mW, Radiation Hardening=No, Viewing Angle=130°, Wavelength=565nm, Width=0.8mm
FB1: library part CMP-0686-00620-3, "Chip Ferrite Bead, 0805, 30Ω @ 100MHz, 0.014Ω, , 4A", Case Code (Imperial)=0805, Case Code (Metric)=2012, Current Rating=4A, DC Current=3A, DC Resistance (DCR)=14mR, Frequency=100MHz, Max Operating Temperature=125°C, Min Operating Temperature=-55°C, Package Quantity=1, Resistance=15mR, Tolerance=25%, Case/Package=0805, Core Material=Ferrite, DC Resistance-Max=14mR, Depth=1.25mm, Height=0.85mm, Impedance=30R, Lead Free="Lead Free", Length=2mm, Material=Steel, Max Current Rating=4A, Max DC Current=3A, Military Standard=Not, Number of Circuits=1, Number of Lines=1, Number of Pins=2, Packaging="Tape and Reel", Radiation Hardening=No, REACH SVHC="No SVHC", RoHS Compliant=Yes, Series=BLM21P, Shielding=Unshielded, Termination=SMD/SMT, Test Frequency=100MHz, Width=1.25mm
J1: "USB Type C Connector Horizontal SMT", LCSC=C165948, Manufacturer="Koren Hroparts", Manufacturer Part Number=TYPE-C-31-M-12
J2: library part CON-TB_2X1-196-ST-TH, "2 Pins, 1 Row 5mm Pitch, straight Connector, male", Alternate Part Number-1=NA, Case/Package=TH-CON, Manufacturer="Phoenix Contact", Manufacturer Part Number=MKDSN1,5/2, Supplier Part Number-1=MKDSN1,5/2, Supplier-1="SP ROAD"
J3: library part CMP-03329-117635865-1, "SIM8066-6-1-14-01-A Memory Card Connectors 1.44mm Nano SIM Conn w/Peg and Switch", Current Rating=1A, Max Operating Temperature=85°C, Min Operating Temperature=-40°C, Voltage Rating=30V, Contact Material="Gold, Nickel", NexarPartId=117635865, Number of Contacts=6, Number of Pins=6
J4 J5: library part "UFL MOLEX SD-734120110", PartNumber="MOLEX SD-734120110"
J6: library part CMP-1502-01537-2, Contact Resistance=20mΩ, Current Rating=500mA, Flammability Rating="UL94 V-0", Insulation Resistance=100MΩ, Max Operating Temperature=85°C, Min Operating Temperature=-25°C, Operating Supply Voltage=50V, Actuator Material="Liquid Crystal Polymer, Polymer", Contact Location=Top, Contact Material="Bronze, Tin", Contact Plating=Tin, Gender=Receptacle, Housing Material="Liquid Crystal Polymer", Lead Pitch=500µm, Length=18.4mm, Mount="Surface Mount", NexarPartId=22802324, Number of Contacts=24, Number of Pins=24, Number of Positions=24, Number of Rows=1, Orientation=Horizontal, Packaging="Tape and Reel", Pitch=500µm, REACH SVHC=Unknown, RoHS=Compliant, Termination=SMD/SMT, Voltage Rating=50V, Width=2.1mm
J7: library part CON-BS-SKT_6X1-100-ST-TH, "6 Pins, 1 Row 2.54mm Pitch, Straight bergstrip, Female", Alternate Part Number-1=NA, Case/Package=TH-CON, Manufacturer=Molex, Manufacturer Part Number=22-10-2061, Supplier Part Number-1=NA, Supplier-1="SP ROAD"
L1: library part IND_0402, "Inductor SMD 0402", LCSC=C412264, Manufacturer=Murata, Manufacturer Part Number=LQW15AN2N2G80D
LS1: library part CMP-06202-000001-1, "AUDIO PIEZO TRANSDUCER 12.5V SMD", Frequency=2kHz, Manufacturer=Murata, Operating Supply Voltage=12.5V, Temperature="-20°C to +70°C", Temperature Range High=+70°C, Temperature Range Low=-20°C, Automotive=No, Category=Speak, ComponentLink2Description=Datasheet, ComponentLink2URL=https://www.murata.com/en-global/products/productdata/8801054425118/SPEC-PKLCS1212E2000-R1.pdf?1517839212000, Device Class L1=Electromechanical, Device Class L2="Audio Products", Device Class L3=Buzzers, Digikey Description="AUDIO PIEZO TRANSDUCER 12.5V SMD", Height=3mm, Lead Free=Yes, Manufacturer Part Number=PKLCS1212E2000-R1, Mouser Description="Piezo buzzer SMD", Octopart=https://octopart.com/pklcs1212e2000-r1-murata-7123179, Package=PKLCS1212E2000-R1, RoHS=TRUE
MH1 MH2 MH3 MH4: library part MH_3.5H_6D, Alternate Part Number-1=NA, Case/Package=TH, Manufacturer=NA, Manufacturer Part Number=NA, Supplier Part Number-1=NA, Supplier-1=NA
Q1: library part CMP-14406-000027-1, "TRANS NPN 65V 0.1A SOT23", RoHS Compliant=Yes
R1 R2: library part RES_0402, "Resistor SMD 0402", LCSC=C105873, Manufacturer=YAGEO, Manufacturer Part Number=RC0402JR-075K1L
R3: library part CMP-2002-08123-3, "RES Thick Film, 100kΩ, 1%, 0.063W, 100ppm/°C, 0402", Case Code (Imperial)=0402, Case Code (Metric)=1005, Max Operating Temperature=155°C, Max Power Dissipation=63mW, Min Operating Temperature=-55°C, Package Quantity=10000, Resistance=100kR, Temperature Coefficient=100ppm/°C, Tolerance=1%, Voltage Rating=50V, Case/Package=0402, Composition="Thick Film", Contact Plating=Tin, Depth=0.5mm, Features="Automotive AEC-Q200", Height=0.35mm, Lead Free="Lead Free", Length=1mm, Military Standard=Not, Mount="Surface Mount", Number of Pins=2, Number of Terminations=2, Packaging="Tape and Reel", Power Rating=63mW, Radiation Hardening=No, Termination=SMD/SMT, Voltage Rating (DC)=50V, Weight=2.3E-05oz, Width=0.02inch
R4 R14: library part CMP-2000-03379-3, "RES SMD 47K OHM 1% 1/10W 0603", Case Code (Imperial)=0603, Case Code (Metric)=1608, Max Operating Temperature=155°C, Max Power Dissipation=100mW, Min Operating Temperature=-55°C, Package Quantity=5000, Resistance=47kR, Resistance Tolerance=1%, Resistor Type="Thick Film", Temperature Coefficient=100ppm/°C, Voltage Rating=75V, Case/Package=0603, Construction=Rectangular, Contact Plating=Tin, Depth=0.85mm, Features="Automotive AEC-Q200", Height=0.45mm, Lead Free="Lead Free", Length=1.55mm, Military Standard=Not, Mount="Surface Mount", Number of Terminations=2, Packaging="Tape and Reel", Power Rating=100mW, Radiation Hardening=No, RoHS Compliant=Yes, Series=CRCW, Size Code=0603, Technology="THICK FILM", Termination=SMD/SMT, Tolerance=1%, Voltage Rating (DC)=75V, Weight=7.1E-05oz, Width=0.85mm
R5 R6 R7: library part CMP-2002-08382-1, Manufacturer="Vishay Dale", Part Number=CRCW040222R0FKED
R8 R9 R10 R12: library part CMP-2002-00051-3, "RES Thick Film, 4.7kΩ, 1%, 0.063W, 100ppm/°C, 0402", Case Code (Imperial)=0402, Case Code (Metric)=1005, Max Operating Temperature=155°C, Max Power Dissipation=63mW, Min Operating Temperature=-55°C, Package Quantity=10, Resistance=4.7kR, Temperature Coefficient=100ppm/°C, Tolerance=1%, Voltage Rating=50V, Case/Package=0402, Composition="Thick Film", Contact Plating=Tin, Depth=0.5mm, Features="Automotive AEC-Q200", Height=0.35mm, Lead Free="Lead Free", Length=1mm, Military Standard=Not, Mount="Surface Mount", Number of Terminations=2, Packaging="Tape and Reel", Power Rating=63mW, Radiation Hardening=No, Termination=SMD/SMT, Voltage Rating (DC)=50V, Weight=2.3E-05oz, Width=0.5mm
R11 R15 R16: library part RES_0R-0.125W-1%-0805, "0 Ohms Jumper 0.125W, 1/8W Chip Resistor 0805 (2012 Metric) Automotive AEC-Q200 Thick Film", Alternate Part Number-1=WR08X000PTL, Case/Package=0805, Manufacturer=Walsin, Manufacturer Part Number=WR08X000PTL, Supplier Part Number-1=WR08X000PTL, Supplier-1=SIRICOM
R13: library part CMP-1666-00019-3, "RES Thick Film, 4.7kΩ, 1%, 0.1W, 100ppm/°C, 0603", Case Code (Imperial)=0603, Case Code (Metric)=1608, Max Operating Temperature=155°C, Min Operating Temperature=-55°C, Package Quantity=5000, Power Rating=100mW, Resistance=4.7kR, Temperature Coefficient=100ppm/°C, Tolerance=1%, Voltage Rating=75V, Case/Package=0603, Composition="Thick Film", Contact Plating=Tin, Depth=0.85mm, Height=0.45mm, Lead Free="Lead Free", Length=1.55mm, Military Standard=Not, Mount="Surface Mount", Packaging="Tape and Reel", Termination=SMD/SMT, Voltage Rating (DC)=75V, Weight=7.1E-05oz, Width=0.85mm
R17: library part "Res 0402", "SMT Resistor"
R18 R20: library part RES_0402, "Resistor SMD 0402", LCSC=C25092, Manufacturer=UNI-ROYAL, Manufacturer Part Number=0402WGF220JTCE
R19: library part CMP-1666-00003-5, "RES Thick Film, 1kΩ, 1%, 0.1W, 100ppm/°C, 0603", Case Code (Imperial)=0603, Case Code (Metric)=1608, Max Operating Temperature=155°C, Max Power Dissipation=100mW, Min Operating Temperature=-55°C, Package Quantity=10, Resistance=1kR, Temperature Coefficient=100ppm/°C, Tolerance=1%, Voltage Rating=75V, Case/Package=0603, Composition="Thick Film", Contact Plating=Tin, Depth=0.85mm, Features="Automotive AEC-Q200", Height=0.45mm, Lead Free="Lead Free", Length=1.55mm, Military Standard=Not, Mount="Surface Mount", Number of Pins=2, Number of Terminations=2, Packaging="Tape and Reel", Power Rating=100mW, Radiation Hardening=No, Termination=SMD/SMT, Voltage Rating (DC)=75V, Weight=7.1E-05oz, Width=0.033inch
R21: library part CMP-2000-03487-2, "RES Thick Film, 5.6kΩ, 1%, 0.1W, 100ppm/°C, 0603", Case Code (Imperial)=0603, Case Code (Metric)=1608, Max Operating Temperature=155°C, Min Operating Temperature=-55°C, Package Quantity=5000, Power Rating=100mW, Resistance=5.6kR, Temperature Coefficient=100ppm/°C, Tolerance=1%, Voltage Rating=75V, Case/Package=0603, Composition="Thick Film", Contact Plating=Tin, Depth=0.85mm, Height=0.45mm, Lead Free="Lead Free", Length=1.55mm, Military Standard=Not, Mount="Surface Mount", Number of Pins=2, Number of Terminations=2, Packaging="Tape and Reel", Radiation Hardening=No, Termination=SMD/SMT, Voltage Rating (DC)=75V, Weight=7.1E-05oz, Width=0.85mm, Working Voltage=75V
SW1 SW2: "Tactile Switch SMD SPST", LCSC=C470426, Manufacturer="Alps Alpine", Manufacturer Part Number=SKRPANE010
U1: library part CMP-10700-118292493-1, "ESP32-S3R8 RF System on a Chip - SoC SMD IC, Dual-Core MCU, Wi-Fi 2.4G BLE 5.0 Combo", NexarPartId=118292493
U2: library part CMP-06324-000007-1, "IC REG LINEAR POS ADJ 3A TO263-5", Dropout Voltage=370mV, Manufacturer=Microchip, Max Junction Temp=+125°C, Max Supply Voltage=26V, Min Supply Voltage=2.25V, Nominal Supply Current=10-37mA, Output Current=3A, Output Voltage=3.3-12V, Package=C04-012, Temperature="-40°C to +125°C", Temperature Range Low=-40°C, Accuracy Percentage=1%, Automotive=No, Category=IC, ComponentLink2Description=Datasheet, ComponentLink2URL=http://ww1.microchip.com/downloads/en/DeviceDoc/MIC2915x-30x-50x-75x-High-Current-Low-Dropout-Regulators-DS20005685B.pdf, Device Class L1="Integrated Circuits (ICs)", Device Class L2="Power Management ICs", Device Class L3="Voltage Regulators - Linear", Digikey Description="IC REG LINEAR POS ADJ 3A TO263-5", Height=0.2inch, Lead Free=Yes, Manufacturer Part Number=MIC29302WU-TR, Mouser Description="LDO Voltage Regulators", Number Of Outputs=1, Octopart=https://octopart.com/mic29302wu-tr-microchip-66801318, Output Type=AdjustableProgrammable, RoHS=TRUE, Standoff Height=0mm, Temperature Range High=+125°C
U3: "MPU-6050 series Accelerometer, Gyroscope, 3 Axis Sensor Evaluation Board", Package="QFN-24 InvenSense", Check_prices=https://www.snapeda.com/parts/MPU-6050/TDK+InvenSense/view-part/?ref=eda, MF="TDK InvenSense", MP=MPU-6050, SnapEDA_Link=https://www.snapeda.com/parts/MPU-6050/TDK+InvenSense/view-part/?ref=snap
U4: "Navigation GPS Transceiver Module 1.575GHz Antenna Not Included Surface Mount", Package="NON STANDARD-18 Quectel", Availability="In Stock", Check_prices=https://www.snapeda.com/parts/L70REL-M37/Quectel/view-part/?ref=eda, MF=Quectel, MP=L70REL-M37, Price=None, Purchase-URL=https://pricing.snapeda.com/search?q=L70REL-M37&ref=eda, SnapEDA_Link=https://www.snapeda.com/parts/L70REL-M37/Quectel/view-part/?ref=snap
U5: library part CMP-209535-000001-1, "LDO Voltage Regulators 1A, 3.3V", Dropout Voltage=1.1V, Manufacturer="Advanced Monolithic Systems", Max Junction Temp=+125°C, Max Power Dissipation=1.2W, Max Supply Voltage=15V, Nominal Supply Current=5mA, Output Current=1A, Output Voltage=3.3V, Package=AMS1117, Temperature="-40°C to +125°C", Temperature Range Low=-40°C, Automotive=No, Category=IC, ComponentLink2Description=Datasheet, ComponentLink2URL=http://www.advanced-monolithic.com/pdf/ds1117.pdf, Device Class L1="Integrated Circuits (ICs)", Device Class L2="Power Management ICs", Device Class L3="Voltage Regulators - Linear", Height=1.8mm, Ipc Land Pattern Name=SOT229P700X180-4, Lead Free=Yes, Manufacturer Part Number=AMS1117-3.3, Number Of Outputs=1, Octopart=https://octopart.com/ams1117-3.3-advanced+monolithic+systems-25899300, Output Type=Fixed, RoHS=TRUE, Standoff Height=0.64mm, Temperature Range High=+125°C
U6: library part CMP-0136-00812-1, "Low Quiescent Current LDO, 3-Pin SOT-89, Extended Temperature, Tape and Reel", Code_IPC=SOT89, DatasheetVersion="revB, Feb-2007", PackageDescription="3-Lead Plastic Small Outline Transistor Header (MB) [SOT-89]", PackageReference=SOT-89-MB3, PackageVersion="revBB, Aug-2009"
U7: library part "ESPRESSIF ESP-PSRAM64H", "No Description Available", Mfr_Name="Adafruit Industries", RefDes=RefDes, Type=Type
X1: library part XTAL_2520, "Crystal SMD 2520", LCSC=C255973, Manufacturer="Seiko Epson", Manufacturer Number=Q24FA20H0020900, Frequency=40MHz

## Via types
v1: diameter 20, hole 10, Top Layer to Bottom Layer, tented both sides, 190 vias
v2: diameter 50, hole 28, Top Layer to Bottom Layer, tented both sides, 19 vias

## Nets (pads, with @x,y where several pads share a name; then routed paths per layer and width w, separated by ;. In a path a pad name is that pad's centre, name@x,y a point inside that pad or via, vN(x,y) a via of type N, cw(c..) or ccw(c..) an arc to the next point about the centre after c; other vN are vias at no path point)
1.3V: C28.1 J6.10 U6.3 | length 2014.2
  Top Layer w8: v1(2658,1544) 2658,1687 2715,1744 C28.1@2715,1900 ; v1(2684,188) 2727.52,188 2750.3,210.78 2750.3,240.3 J6.10@2750.79,240.79
  Top Layer w10: C28.1@2715,1900 2717.03,1897.97 2829.23,1897.97 U6.3@2831.26,1895.94
  Bottom Layer w8: v1(2658,1544) 2658,1438 2621,1401 2621,838 2605,822 2605,730.72 2605,267 v1(2684,188)
2.8V: C22.1 C23.1 J6.4 J6.11 R19.1 R21.2 | length 1380.8
  Top Layer w8: v1(2632,186) 2632,194 2632.68,194.68 J6.4@2632.68,240.79 ; v1(2738,156) 2770.47,188.47 2770.47,198.53 ; J6.11@2770.47,240.79 2770.47,198.53 ; v1(2908,178) 2791,178 2770.47,198.53 ; R19.1@3329.06,410 R21.2@3385.47,410 ; 3385.47,347.77 R21.2@3385.47,410 ; C22.1@3397,529.25 3397,492 3385.47,480.47 R21.2@3385.47,410
  Top Layer w10: R19.1@3329.03,410.03 C23.1@3329.03,530.22
  Bottom Layer w8: v1(2632,186) 2661,157 2737,157 v1(2738,156) ; v1(2908,178) 2910,180 3318,180 3390,252 3390,338 v1(3391,339)